# Altium PCB PROC054D_MMWCAS_RF_EVM.PcbDoc (part 12 of 14)
Units mil, origin at the board's own origin, x right, y up, seen from the top; angles counter-clockwise.
Board outline 6299.21 x 5370.07 mil, 8 copper layers (L1 TOP, L2 GND, L3 SIGNAL 1, L4 GND, L5 SIGNAL 2, L6 SIGNAL 3, L7 GND, L8 BOTTOM), stack 53.5 mil thick; 775 components, 552 nets, 2648 pads, 7845 vias.
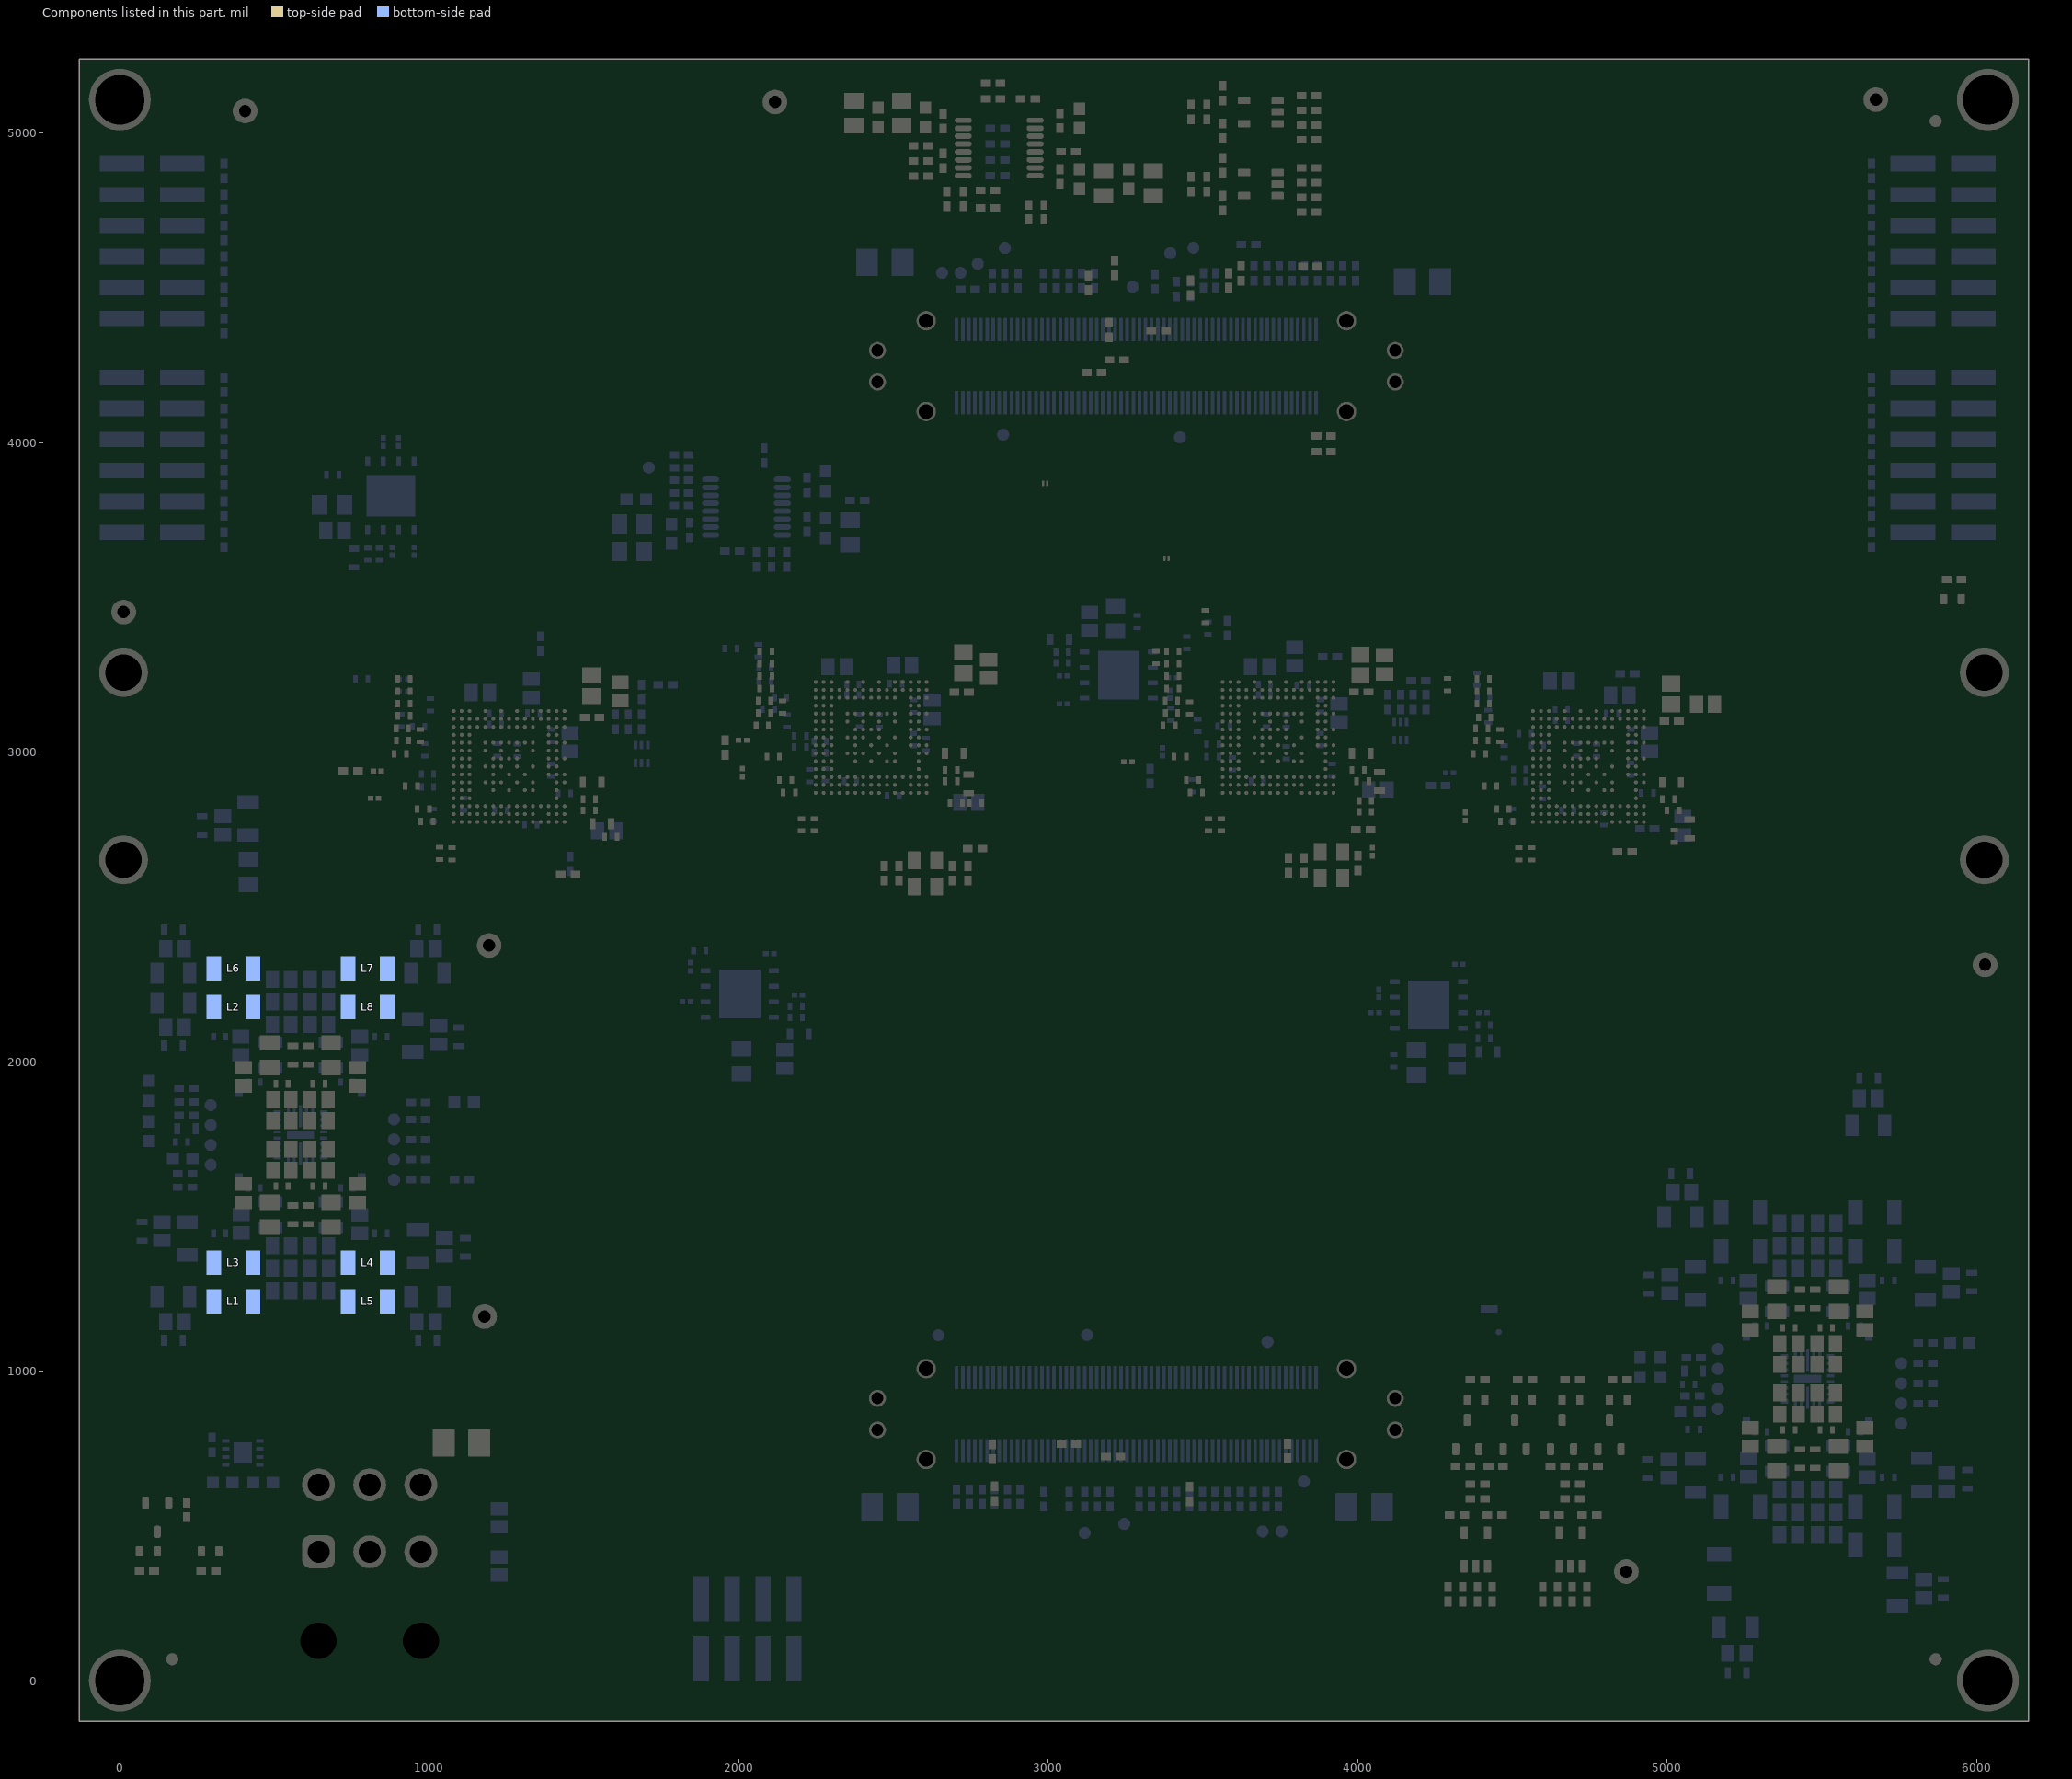
[diagram p18: the components of this part, seen from the top]

## Polygon pours and split planes (outlines as drawn) (continued)
AWR_4_1V2_FILT on L8 BOTTOM "L8_BOTTOM_AWR_4_1V2_FILT_P29790" (solid, remove dead copper, pour order 29790): 19 vertices, not listed, extent -131.11,1296.94 332.13,3060.36
AWR_4_1V8_FILT on L8 BOTTOM "L8_BOTTOM_AWR_4_1V8_FILT_P29702" (solid, remove dead copper, pour order 29702): 1314.48,3068.75 1283.95,3099.27 1283.95,3185.88 1297.79,3199.72 1357.07,3199.72 1360.98,3195.82 1360.98,3156.42 1356.01,3151.45 1340.03,3151.45 1328.67,3140.09 1328.67,3082.94 1316.61,3070.88
AWR_3_1V8_FILT on L8 BOTTOM "L8_BOTTOM_AWR_3_1V8_FILT_P29703" (solid, remove dead copper, pour order 29703): 3799.3,3157.94 3799.3,3160.31 3764.59,3195.02 3764.59,3296.99 3768.63,3301.03 3817.76,3301.03 3824.31,3294.48 3824.31,3174.4 3808.57,3158.65
LMK2_3V3 on L8 BOTTOM "L8_BOTTOM_LMK2_3V3_P29704" (solid, remove dead copper, pour order 29704): 1985.94,3661.24 2019.56,3661.24 2021.37,3659.44 2021.37,3627.32 2032.47,3616.21 2066.39,3616.21 2070.9,3611.71 2070.9,3549.27 2068.19,3546.56 2002.15,3546.56 1982.34,3566.38 1982.34,3657.85 1985.51,3661.02
PMIC1_SW_B1 on L8 BOTTOM "L8_BOTTOM_PMIC1_SW_B1_P29708" (solid, remove dead copper, pour order 29708): 564.74,1621.53 540.48,1597.27 540.48,1534.8 531.2,1525.51 446.86,1525.51 441.43,1530.95 441.43,1600.06 444.98,1603.62 526.25,1603.62 564.74,1642.11
PMIC2_SW_B3 on L8 BOTTOM "L8_BOTTOM_PMIC2_SW_B3_P29711" (solid, remove dead copper, pour order 29711): 5435.47,1116.54 5411.21,1140.8 5411.21,1203.27 5401.92,1212.56 5317.59,1212.56 5312.15,1207.12 5312.15,1138 5315.71,1134.45 5396.98,1134.45 5435.47,1095.96
PMIC1_SW_B3 on L8 BOTTOM "L8_BOTTOM_PMIC1_SW_B3_P29709" (solid, remove dead copper, pour order 29709): 564.74,1904.39 540.48,1928.65 540.48,1991.13 531.2,2000.41 446.86,2000.41 441.43,1994.97 441.43,1925.86 444.98,1922.3 526.25,1922.3 564.74,1883.81
PMIC2_SW_B1 on L8 BOTTOM "L8_BOTTOM_PMIC2_SW_B1_P29707" (solid, remove dead copper, pour order 29707): 5435.47,833.68 5411.21,809.41 5411.21,746.94 5401.92,737.66 5317.59,737.66 5312.15,743.09 5312.15,812.21 5315.71,815.77 5396.98,815.77 5435.47,854.26
SYSTEM_3V3 on L8 BOTTOM "L8_BOTTOM_SYSTEM_3V3_P29713" (solid, remove dead copper, pour order 29713): 4119.08,1929.88 4150.24,1961.04 4150.24,1978.85 4161.13,1989.74 4225.69,1989.74 4230.89,1984.54 4230.89,1919.98 4211.1,1900.19 4127.03,1900.19 4119.08,1908.13
SYSTEM_3V3 on L8 BOTTOM "L8_BOTTOM_SYSTEM_3V3_P29714" (solid, remove dead copper, pour order 29714): 1655.67,3304.32 1655.67,3252.4 1673.06,3235.01 1673.06,3202.27 1676.13,3199.2 1751.58,3199.2 1757.72,3205.34 1757.72,3267.24 1716.4,3308.55 1659.81,3308.55 1655.72,3304.45
GND on L8 BOTTOM "L8_BOTTOM_GND_P29716" (solid, remove dead copper, pour order 29716): 2520.71,3233.05 2536.96,3249.29 2536.96,3308.95 2546.24,3318.24 2546.24,3337.25 2562.13,3353.13 2624.56,3353.13 2644,3333.69 2644,3286.65 2635.37,3278.02 2604.61,3278.02 2583.1,3256.51 2583.1,3235.11 2557,3209.01 2520.5,3209.01
AWR_1_1V0_RF2_FILT on L8 BOTTOM "L8_BOTTOM_AWR_1_1V0_RF2_FILT_P29722" (solid, remove dead copper, pour order 29722): 2575.22,3152.32 2566.3,3143.41 2518.78,3143.41 2509.79,3152.4 2509.79,3178.83 2528.38,3197.42 2565.14,3197.42 2593.02,3225.31 2593.02,3244.09 2611.23,3262.29 2666.34,3262.29 2672.43,3256.19 2672.43,3162.3 2662.35,3152.22
GND on L8 BOTTOM "L8_BOTTOM_GND_P29723" (solid, remove dead copper, pour order 29723): 19 vertices, not listed, extent 4830.85,3112.64 4957.73,3269.52
GND on L8 BOTTOM "L8_BOTTOM_GND_P29718" (solid, remove dead copper, pour order 29718): 17 vertices, not listed, extent 324.94,1863.73 435.27,2042.6
GND on L8 BOTTOM "L8_BOTTOM_GND_P29724" (solid, remove dead copper, pour order 29724): 55.37,1459.42 253.34,1459.39 262.11,1468.17 262.11,1516.41 251.59,1526.93 60.99,1526.93 51.3,1517.25 51.3,1463.49
GND on L8 BOTTOM "L8_BOTTOM_GND_P29726" (solid, remove dead copper, pour order 29726): 2310.48,3305.51 2310.48,3241.04 2325.47,3226.05 2341.84,3226.05 2350.84,3217.05 2350.84,3172.19 2241.17,3172.19 2214.62,3198.73 2214.62,3269.85 2259.77,3315 2300.99,3315
GND on L8 BOTTOM "L8_BOTTOM_GND_P29727" (solid, remove dead copper, pour order 29727): 1156.54,3219.67 1156.54,3162.35 1180.32,3138.57 1200.5,3138.57 1202.77,3136.3 1202.77,3076.8 1201.25,3075.29 1104.24,3075.29 1056.16,3123.38 1056.16,3167.32 1080.46,3191.62 1082.27,3191.62 1114.17,3223.53 1152.74,3223.53 1156.46,3219.81
GND on L8 BOTTOM "L8_BOTTOM_GND_P29728" (solid, remove dead copper, pour order 29728): 2743.43,2912.56 2743.43,2973.73 2774.02,3004.31 2793.61,3004.31 2827.53,2970.38 2827.53,2822.73 2808.42,2803.61 2753.95,2803.61 2743.42,2814.15 2743.42,2911.89
GND on L8 BOTTOM "L8_BOTTOM_GND_P29729" (solid, remove dead copper, pour order 29729): 5125.26,693.18 4922.11,693.06 4905.82,709.34 4905.82,748.12 4924.74,767.04 5112.73,767.04 5130.98,748.79 5130.98,698.9
GND on L8 BOTTOM "L8_BOTTOM_GND_P29730" (solid, remove dead copper, pour order 29730): 4049.36,427.21 4120.73,427.22 4132.64,439.13 4132.64,594.57 4120.07,607.14 4041.41,607.14 4036.71,602.44 4036.71,439.87
GND on L8 BOTTOM "L8_BOTTOM_GND_P29731" (solid, remove dead copper, pour order 29731): 2304.82,524.41 2304.82,603.47 2316.8,615.44 2463.57,615.44 2471.61,607.41 2471.61,519.68 2462.83,510.9 2318.33,510.9
GND on L8 BOTTOM "L8_BOTTOM_GND_P29733" (solid, remove dead copper, pour order 29733): 4644.68,3257.81 4644.68,3093.35 4639.57,3088.24 4553.73,3088.24 4533.76,3108.21 4533.95,3108.4 4533.95,3244.72 4557.27,3268.04 4634.41,3268.04 4644.52,3257.92
GND on L8 BOTTOM "L8_BOTTOM_GND_P29735" (solid, remove dead copper, pour order 29735): 5706.74,287.57 5904.93,287.65 5920.47,272.11 5920.47,228.75 5879.89,188.17 5714.78,188.17 5700.3,202.64 5700.3,281.13
QSPI_FLASH_3V3_3 on L8 BOTTOM "L8_BOTTOM_QSPI_FLASH_3V3_3_P29736" (solid, remove dead copper, pour order 29736): 17 vertices, not listed, extent 3053.43,3275.51 3300.68,3418.57
GND on L8 BOTTOM "L8_BOTTOM_GND_P29737" (solid, remove dead copper, pour order 29737): 251.93,2771.63 429.87,2771.53 457.14,2798.8 457.14,2867.2 450.2,2874.13 266.15,2874.13 239.05,2847.04 239.05,2784.52
GND on L8 BOTTOM "L8_BOTTOM_GND_P29738" (solid, remove dead copper, pour order 29738): 5234.36,197.62 5234.36,11.78 5254.9,-8.76 5315.01,-8.76 5336.05,12.28 5336.05,193.94 5320.82,209.17 5245.78,209.17 5234.47,197.86
GND on L8 BOTTOM "L8_BOTTOM_GND_P29740" (solid, remove dead copper, pour order 29740): 1136.85,1409.74 938.77,1409.74 917.18,1431.33 917.18,1495.24 932,1510.05 1113.99,1510.05 1147.98,1476.06 1147.98,1420.75 1137.01,1409.79
GND on L8 BOTTOM "L8_BOTTOM_GND_P29741" (solid, remove dead copper, pour order 29741): 4920.12,1273.11 5110.12,1273.11 5139.01,1244.22 5139.01,1186.07 5125.3,1172.37 4930.49,1172.37 4910.12,1192.74 4910.12,1263.22 4919.64,1272.74
GND on L8 BOTTOM "L8_BOTTOM_GND_P29742" (solid, remove dead copper, pour order 29742): 169.84,1088.49 169.83,1259.99 149.91,1279.91 67.74,1279.91 56.63,1268.79 56.63,1089.92 75.84,1070.71 152.06,1070.71
GND on L8 BOTTOM "L8_BOTTOM_GND_P29743" (solid, remove dead copper, pour order 29743): 997.21,1077.96 996.89,1266.04 1009.07,1278.22 1099.69,1278.22 1110.42,1267.28 1110.45,1076.9 1104.26,1070.71 1004.45,1070.71
GND on L8 BOTTOM "L8_BOTTOM_GND_P29744" (solid, remove dead copper, pour order 29744): 5040.56,1660.15 5040.56,1460.89 5036.7,1457.04 4930.05,1457.04 4927.35,1459.74 4927.35,1661.16 4933.54,1667.36 5033.35,1667.36
GND on L8 BOTTOM "L8_BOTTOM_GND_P29745" (solid, remove dead copper, pour order 29745): 997.84,2245.26 1005.7,2237.4 1102.59,2237.4 1110.45,2245.26 1110.45,2449.02 1104.26,2455.21 1004.45,2455.21 997.21,2447.97
AWR_1_1V8_FILT on L8 BOTTOM "L8_BOTTOM_AWR_1_1V8_FILT_P29746" (solid, remove dead copper, pour order 29746): 332.13,2222.83 332.13,2138.87 275.33,2082.08 275.33,2041.53 262.7,2028.89 196.29,2028.89 185.13,2040.06 185.13,2216.65 197.47,2228.99 326.01,2228.99 332.08,2222.91
GND on L8 BOTTOM "L8_BOTTOM_GND_P29747" (solid, remove dead copper, pour order 29747): 5643.31,1749.23 5643.31,1960.96 5621.7,1982.57 5556.19,1982.57 5536.6,1962.98 5536.6,1760.04 5555.51,1741.13 5635.11,1741.13 5642.94,1748.96
GND on L8 BOTTOM "L8_BOTTOM_GND_P29748" (solid, remove dead copper, pour order 29748): 907.32,1966.28 896.53,1977.07 896.53,2065.22 910.15,2078.84 1113.28,2078.2 1122.53,2068.95 1122.53,1974.86 1113.96,1966.28
LMK2_3V3 on L8 BOTTOM "L8_BOTTOM_LMK2_3V3_P29734" (solid, remove dead copper, pour order 29734): 2207.97,3730.27 2385.87,3730.27 2455.01,3661.14 2455.01,3649.75 2447.16,3641.91 2227.17,3641.91 2194.37,3674.71 2194.37,3717.72 2206.87,3730.22
AWR_4_1V8_FILT on L8 BOTTOM "L8_BOTTOM_AWR_4_1V8_FILT_P29749" (solid, remove dead copper, pour order 29749): 332.13,2341.49 311.01,2362.61 311.01,2403.27 266.74,2447.53 196.29,2447.53 185.13,2436.37 185.13,2259.78 197.47,2247.44 326.01,2247.44 332.08,2253.52
QSPI_FLASH_3V3_2 on L8 BOTTOM "L8_BOTTOM_QSPI_FLASH_3V3_2_P29739" (solid, remove dead copper, pour order 29739): 4108.15,2009.8 4095.5,2022.45 4095.51,2029.36 4128.41,2062.26 4270.24,2062.26 4329.98,2122 4361.68,2122 4372.82,2133.14 4400.06,2133.14 4403.51,2129.69 4403.51,2015.02 4398.28,2009.8
QSPI_FLASH_3V3_4 on L8 BOTTOM "L8_BOTTOM_QSPI_FLASH_3V3_4_P29750" (solid, remove dead copper, pour order 29750): 696.84,3909.9 704.45,3917.51 762.42,3917.51 774.97,3905.14 774.97,3769.35 813.86,3730.46 813.86,3705.83 852.74,3666.95 852.74,3652.82 841.38,3641.45 729.6,3641.45 696.84,3674.22
GND on L8 BOTTOM "L8_BOTTOM_GND_P29751" (solid, remove dead copper, pour order 29751): 5774.37,1277.94 6003.39,1278.01 6019.4,1261.99 6019.4,1196.69 5990.33,1167.61 5777,1167.61 5757.35,1187.26 5757.35,1260.92
SYSTEM_1V8 on L8 BOTTOM "L8_BOTTOM_SYSTEM_1V8_P29752" (solid, remove dead copper, pour order 29752): 447.57,2756.32 260.56,2756.58 244.13,2740.14 244.13,2676.83 312.92,2608.04 442.59,2608.04 452.18,2617.63 452.18,2751.71
QSPI_FLASH_3V3_1 on L8 BOTTOM "L8_BOTTOM_QSPI_FLASH_3V3_1_P29753" (solid, remove dead copper, pour order 29753): 1905.12,2085.04 1890.62,2070.54 1890.62,2024.38 1901.01,2013.47 2175.27,2013.47 2178.49,2016.69 2178.49,2185.59 2173.48,2190.6 2156.66,2190.6 2132.68,2166.63 2107.28,2166.63 2094.75,2154.1 2094.75,2119.75 2060.04,2085.04
AWR_1_1V2_FILT on L8 BOTTOM "L8_BOTTOM_AWR_1_1V2_FILT_P29754" (solid, remove dead copper, pour order 29754): 332.08,1272.41 332.17,1109.48 301.07,1078.39 196.29,1078.39 185.13,1089.56 185.13,1266.14 197.47,1278.48 326.01,1278.48
GND on L8 BOTTOM "L8_BOTTOM_GND_P29755" (solid, remove dead copper, pour order 29755): 5990.27,651.02 5799.61,650.95 5780.88,669.68 5780.88,783.52 5792.5,795.15 5952.19,795.15 5993.37,753.96 5993.37,654.12
GND on L8 BOTTOM "L8_BOTTOM_GND_P29756" (solid, remove dead copper, pour order 29756): 19 vertices, not listed, extent 2371.03,2979.69 2664.08,3136.04
GND on L8 BOTTOM "L8_BOTTOM_GND_P29758" (solid, remove dead copper, pour order 29758): 24 vertices, not listed, extent 5401.32,434.32 5506.97,814.79
GND on L8 BOTTOM "L8_BOTTOM_GND_P29759" (solid, remove dead copper, pour order 29759): 24 vertices, not listed, extent 5401.32,1135.43 5506.97,1515.89
GND on L8 BOTTOM "L8_BOTTOM_GND_P29761" (solid, remove dead copper, pour order 29761): 24 vertices, not listed, extent 530.59,1222.18 636.24,1602.64
AWR_1_1V0_RF1_FILT on L8 BOTTOM "L8_BOTTOM_AWR_1_1V0_RF1_FILT_P29762" (solid, remove dead copper, pour order 29762): 841.37,1393.48 1188.05,1393.48 1196.55,1384.98 1196.55,1304.55 1188.94,1296.94 841.07,1296.94 835,1303.01 834.95,1387.06
AWR_2_1V0_RF2_FILT on L8 BOTTOM "L8_BOTTOM_AWR_2_1V0_RF2_FILT_P29763" (solid, remove dead copper, pour order 29763): 5741.9,635.42 5985.12,635.42 5990.14,630.4 5990.14,534.13 5965.09,509.08 5711.8,509.08 5705.72,515.16 5705.67,515.24 5705.67,599.2
AWR_2_1V0_RF1_FILT on L8 BOTTOM "L8_BOTTOM_AWR_2_1V0_RF1_FILT_P29764" (solid, remove dead copper, pour order 29764): 5724.3,302.96 5900.66,302.96 5913.24,315.54 5913.24,417.72 5840.33,490.63 5711.8,490.63 5705.72,484.55 5705.63,321.63
AWR_3_1V8_FILT on L8 BOTTOM "L8_BOTTOM_AWR_3_1V8_FILT_P29765" (solid, remove dead copper, pour order 29765): 5129.82,1288.65 4927.22,1288.65 4916.02,1299.85 4916.02,1393.14 4950.21,1427.33 5186.95,1427.33 5197.81,1416.57 5197.81,1356.64
AWR_1_1V0_RF1_FILT on L8 BOTTOM "L8_BOTTOM_AWR_1_1V0_RF1_FILT_P29769" (solid, remove dead copper, pour order 29769): 22 vertices, not listed, extent 2212.61,3117.64 2472.16,3467.22
GND on L8 BOTTOM "L8_BOTTOM_GND_P29768" (solid, remove dead copper, pour order 29768): 18 vertices, not listed, extent 4635.94,2850.72 4978.96,3027.83
GND on L8 BOTTOM "L8_BOTTOM_GND_P29770" (solid, remove dead copper, pour order 29770): 169.87,2447.97 168.54,2026.3 159.29,2017.05 101.92,2017.05 56.63,2062.34 56.63,2403.84 108,2455.21 162.62,2455.21
PMIC2_AWR_23_1V8 on L8 BOTTOM "L8_BOTTOM_PMIC2_AWR_23_1V8_P29773" (solid, remove dead copper, pour order 29773): 5229.84,1539.43 5258.28,1567.87 5367.3,1567.87 5387.93,1546.73 5387.93,1297.59 5398.74,1286.78 5398.74,1259.08 5395.9,1256.24 5316.28,1256.23 5302.31,1270.2 5234.17,1270.2 5229.84,1274.53
PMIC2_AWR_2_1V0 on L8 BOTTOM "L8_BOTTOM_PMIC2_AWR_2_1V0_P29774" (solid, remove dead copper, pour order 29774): 5678.68,410.78 5650.25,382.34 5541.23,382.34 5520.59,403.48 5520.59,652.62 5509.78,663.43 5509.78,691.13 5512.62,693.97 5592.25,693.98 5606.22,680.01 5674.36,680.01 5678.68,675.69
PMIC2_AWR_3_1V0 on L8 BOTTOM "L8_BOTTOM_PMIC2_AWR_3_1V0_P29772" (solid, remove dead copper, pour order 29772): 5678.68,1539.43 5650.25,1567.87 5541.23,1567.87 5520.59,1546.73 5520.59,1297.59 5509.78,1286.78 5509.78,1259.08 5512.62,1256.24 5592.25,1256.23 5606.22,1270.2 5674.36,1270.2 5678.68,1274.53
PMIC1_AWR_4_1V0 on L8 BOTTOM "L8_BOTTOM_PMIC1_AWR_4_1V0_P29776" (solid, remove dead copper, pour order 29776): 807.96,2327.29 779.52,2355.73 670.5,2355.73 649.87,2334.59 649.87,2085.45 639.06,2074.63 639.06,2046.94 641.9,2044.1 721.52,2044.09 735.49,2058.06 803.63,2058.06 807.96,2062.38
PMIC1_AWR_1_1V0 on L8 BOTTOM "L8_BOTTOM_PMIC1_AWR_1_1V0_P29775" (solid, remove dead copper, pour order 29775): 807.96,1198.63 779.52,1170.2 670.5,1170.2 649.87,1191.34 649.87,1440.48 639.06,1451.29 639.06,1478.99 641.9,1481.83 721.52,1481.83 735.49,1467.86 803.63,1467.86 807.96,1463.54
PMIC1_AWR_14_1V2 on L8 BOTTOM "L8_BOTTOM_PMIC1_AWR_14_1V2_P29771" (solid, remove dead copper, pour order 29771): 359.12,1198.63 387.55,1170.2 496.57,1170.2 517.21,1191.34 517.21,1440.48 528.02,1451.29 528.02,1478.99 525.18,1481.83 445.55,1481.83 431.58,1467.86 363.44,1467.86 359.12,1463.54
PMIC2_AWR_23_1V2 on L8 BOTTOM "L8_BOTTOM_PMIC2_AWR_23_1V2_P29777" (solid, remove dead copper, pour order 29777): 17 vertices, not listed, extent 5111.94,382.34 5398.74,693.98
SYSTEM_5V0 on L8 BOTTOM "L8_BOTTOM_SYSTEM_5V0_P29779" (solid, remove dead copper, pour order 29779): 385.39,1155.02 781.54,1155.09 800.07,1136.57 800.07,1028.87 786.7,1015.5 384.6,1015.5 368.88,1031.23 368.88,1138.51
SYSTEM_5V0 on L8 BOTTOM "L8_BOTTOM_SYSTEM_5V0_P29780" (solid, remove dead copper, pour order 29780): 5256.11,1722.32 5652.26,1722.39 5670.79,1703.87 5670.79,1596.17 5657.43,1582.8 5255.33,1582.8 5239.6,1598.53 5239.6,1705.81
SYSTEM_5V0 on L8 BOTTOM "L8_BOTTOM_SYSTEM_5V0_P29778" (solid, remove dead copper, pour order 29778): 5256.11,367.16 5652.26,367.24 5670.79,348.71 5670.79,241.01 5657.43,227.65 5255.33,227.65 5239.6,243.37 5239.6,350.65
AWR_2_1V0_RF1_FILT on L8 BOTTOM "L8_BOTTOM_AWR_2_1V0_RF1_FILT_P29781" (solid, remove dead copper, pour order 29781): 4696.06,3074.55 4659.12,3111.49 4659.12,3260.66 4601.6,3318.18 4601.6,3490.74 4639.94,3529.09 4784.44,3529.09 4805.49,3508.04 4805.49,3411.24 4744.23,3349.98 4744.23,3058.09 4735.84,3049.7 4721.04,3049.7 4696.87,3073.87
PMIC1_AWR_14_1V8 on L8 BOTTOM "L8_BOTTOM_PMIC1_AWR_14_1V8_P29783" (solid, remove dead copper, pour order 29783): 18 vertices, not listed, extent 293.69,2044.09 528.02,2599.17
AWR_1_1V8_FILT on L8 BOTTOM "L8_BOTTOM_AWR_1_1V8_FILT_P29786" (solid, remove dead copper, pour order 29786): 2733.3,3018.37 2733.3,2986.35 2733.3,2693.85 2688.04,2648.59 2422.22,2648.59 2326.04,2744.77 2326.04,2941.5 2353.94,2968.94 2544.94,2968.94 2594.37,3018.37
AWR_1_1V8_FILT on L8 BOTTOM "L8_BOTTOM_AWR_1_1V8_FILT_P29732" (solid, remove dead copper, pour order 29732): 2457.74,3437.82 2466.79,3446.87 2539.89,3446.87 2548.77,3437.81 2548.77,3407.34 2530.87,3389.44 2530.87,3330.91 2521.89,3321.94 2521.89,3255.09 2505.24,3238.43 2505.24,3190.24 2488.85,3173.85 2457.74,3204.97
AWR_2_1V2_FILT on L8 BOTTOM "L8_BOTTOM_AWR_2_1V2_FILT_P29787" (solid, remove dead copper, pour order 29787): 23 vertices, not listed, extent 4545.61,495.57 5202.85,1325.64
SYSTEM_5V0 on L8 BOTTOM "L8_BOTTOM_SYSTEM_5V0_P29791" (solid, remove dead copper, pour order 29791): 24 vertices, not listed, extent 2487.38,46.76 4021.69,783.63
GND on L8 BOTTOM "L8_BOTTOM_GND_P29767" (solid, remove dead copper, pour order 29767): 18 vertices, not listed, extent 1184.59,2879.45 1492.81,3042.1
GND on L8 BOTTOM "L8_BOTTOM_GND_P29766" (solid, remove dead copper, pour order 29766): 3649.25,3104.96 3649.25,3049.61 3702.98,2995.88 3911.78,2995.88 3977.42,3061.52 3977.42,3110.01 3968.87,3118.56 3662.85,3118.56
SYSTEM_3V3 on L8 BOTTOM "L8_BOTTOM_SYSTEM_3V3_P29715" (solid, remove dead copper, pour order 29715): 312.14,611.67 223.07,611.67 209.27,625.47 209.27,683.1 227.78,701.61 236.86,701.61 353.82,701.61 353.89,692 342.2,680.32 331.61,680.32 321.28,669.99 321.28,620.81